# KiCad board rp2040_base.kicad_pcb
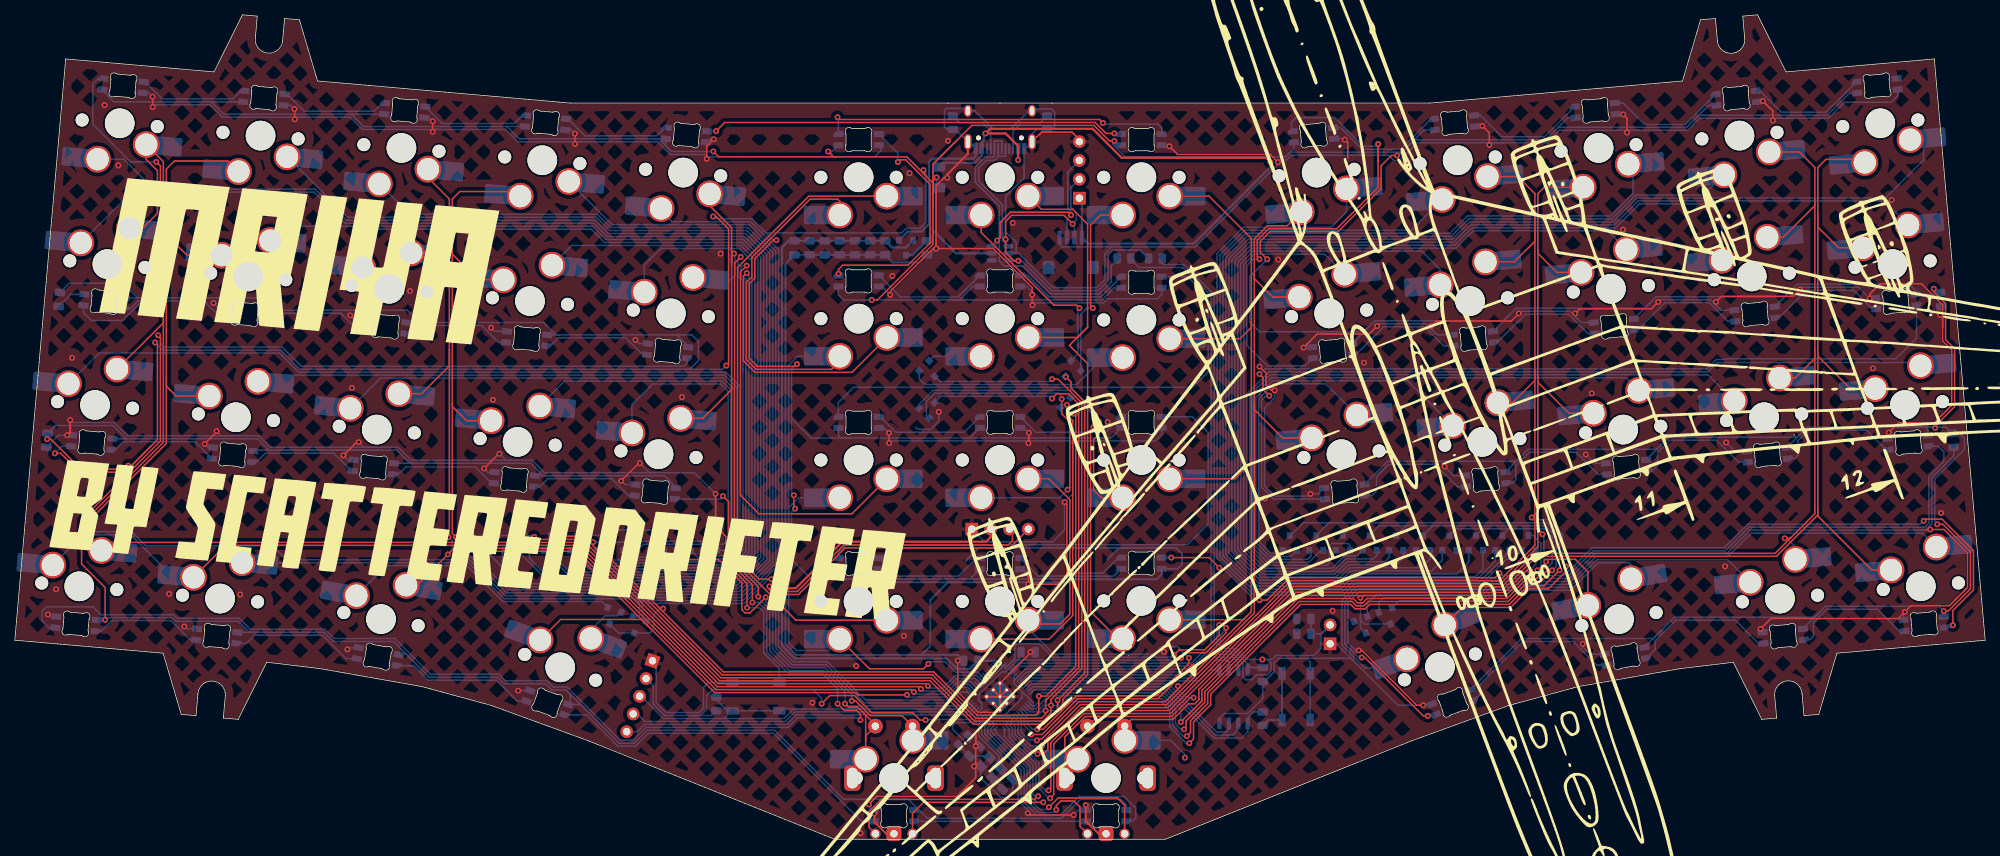
[diagram p0: board, top side]
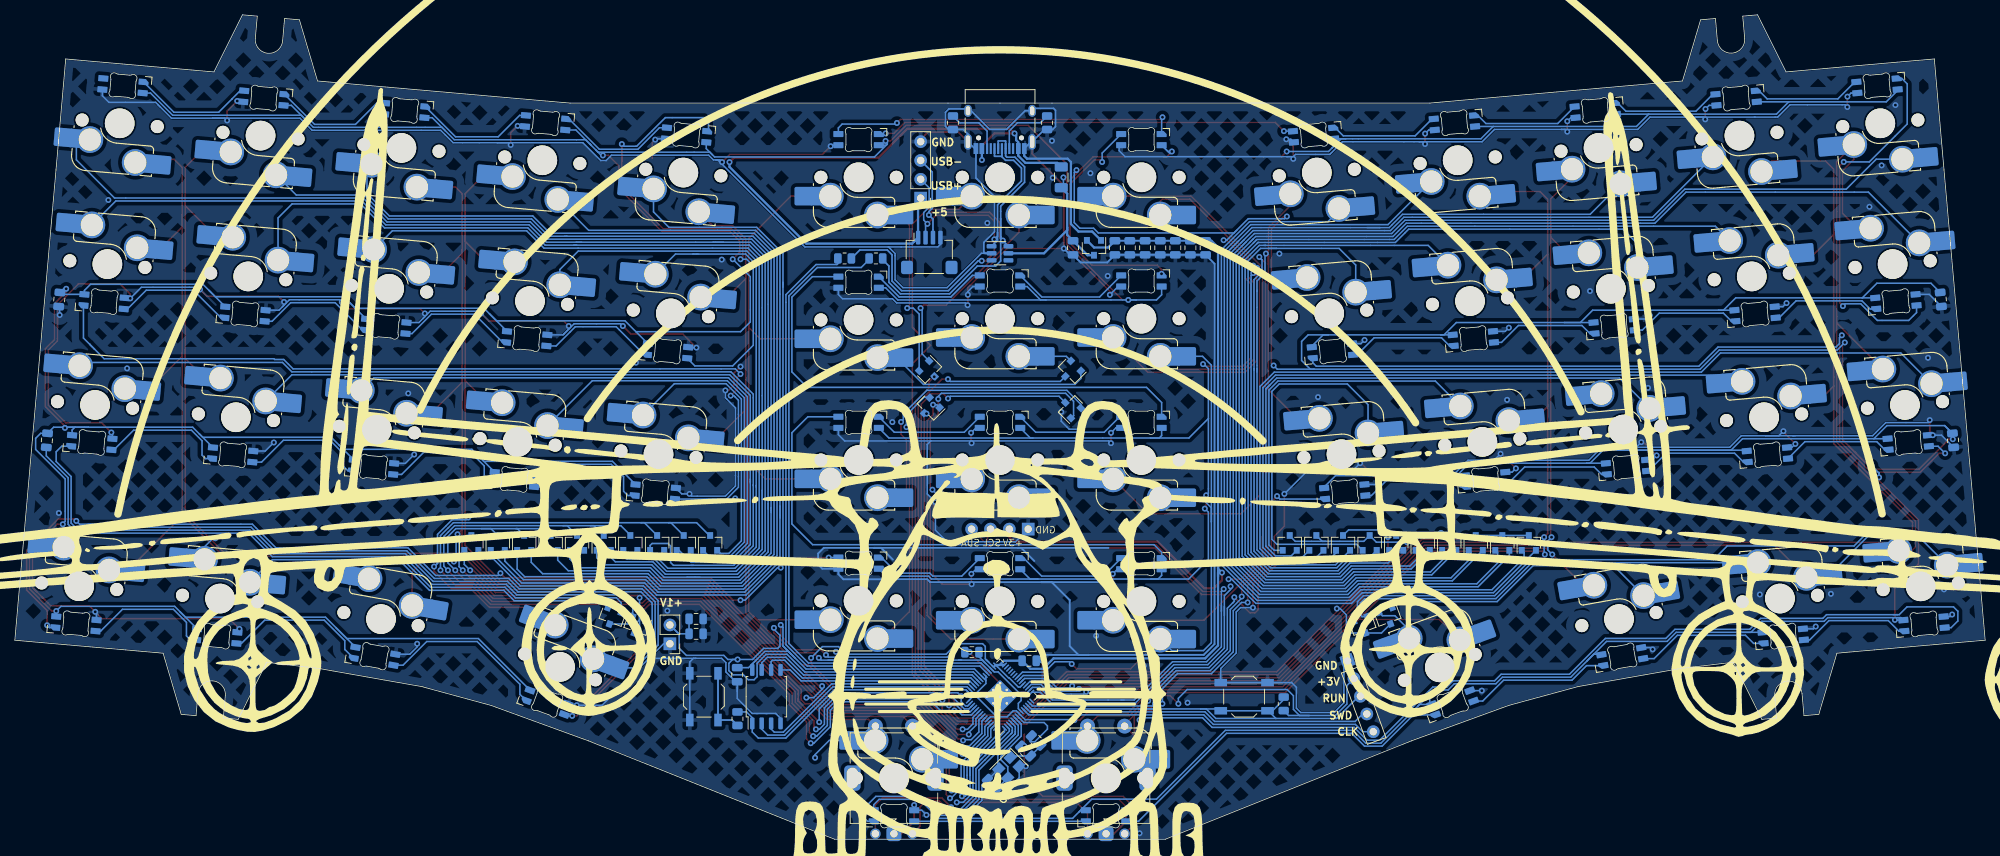
[diagram p1: board, bottom side, seen from below]

Outline 265.44 x 111.09 mm; copper layers: Top, Bottom. Coordinates in mm from the lower left corner of the outline.
Outline path: 0,26.82 2.22,52.25 3.44,66.19 6.85,105.14 26.83,103.4 30.66,111.09 32.65,110.92 32.39,107.93 arc(34.07,105.93) 36.08,107.61 36.34,110.6 38.33,110.42 40.77,102.18 74.8,99.2 190.63,99.2 224.66,102.18 227.1,110.42 229.1,110.6 229.36,107.61 arc(231.36,105.93) 233.04,107.93 232.78,110.92 234.78,111.09 238.61,103.4 258.58,105.14 264.13,41.76 265.44,26.82 245.46,25.07 243.02,16.83 241.03,16.65 240.77,19.64 arc(238.76,21.32) 237.08,19.32 237.34,16.33 235.35,16.16 231.52,23.85 224.39,23 210.6,20.57 201.28,18.04 188.12,13.25 155.01,0 110.43,0 77.31,13.25 64.16,18.04 54.83,20.57 41.05,23 33.92,23.85 30.09,16.16 28.09,16.33 28.35,19.32 arc(26.67,21.32) 24.67,19.64 24.41,16.65 22.41,16.83 19.97,25.07 0,26.82
Stack: Top 0.035mm / dielectric 1.51mm FR4 er 4.5 / Bottom 0.035mm

## Placement (name value [footprint] x y rotation side)
C1  10u  [C_0805_2012Metric]  122.88 79.7 270 bottom
C2  22pf  [C_0805_2012Metric]  133.75 7.4 45 bottom
C3  22pf  [C_0805_2012Metric]  129.27 11.88 45 bottom
C4  10u  [C_0805_2012Metric]  117.24 79.7 270 bottom
C5  100n  [C_0805_2012Metric]  168.12 22.17 270 bottom
C6  100n  [C_0805_2012Metric]  173.66 29.69 180 bottom
C7  100n  [C_0805_2012Metric]  173.66 27.68 180 bottom
C8  1u  [C_0805_2012Metric]  136.51 25.2 0 bottom
C9  100n  [C_0805_2012Metric]  105.02 79.7 270 bottom
C10  1u  [C_0805_2012Metric]  128.79 24.05 180 bottom
C11  100n  [C_0805_2012Metric]  107.07 79.7 270 bottom
C12  100n  [C_0805_2012Metric]  109.1 79.7 270 bottom
C13  100n  [C_0805_2012Metric]  111.13 79.7 270 bottom
C14  100n  [C_0805_2012Metric]  113.17 79.7 270 bottom
C15  100n  [C_0805_2012Metric]  4.33 53.75 265 bottom
C16  100n  [C_0805_2012Metric]  5.98 72.73 265 bottom
C17  10u  [C_0805_2012Metric]  115.23 79.7 270 bottom
C18  100n  [C_0805_2012Metric]  261.12 53.75 275 bottom
C19  100n  [C_0805_2012Metric]  259.45 72.73 275 bottom
D1  BAV70  [SOT-23]  68.63 39.93 90 bottom
D2  BAV70  [SOT-23]  65.05 39.93 90 bottom
D3  BAV70  [SOT-23]  61.48 39.93 90 bottom
D4  BAV70  [SOT-23]  142.23 63.08 225 bottom
D5  BAV70  [SOT-23]  200.38 39.93 90 bottom
D6  BAV70  [SOT-23]  196.82 39.93 90 bottom
D7  BAV70  [SOT-23]  193.26 39.93 90 bottom
D8  BAV70  [SOT-23]  72.2 39.93 90 bottom
D9  BAV70  [SOT-23]  75.77 39.93 90 bottom
D10  BAV70  [SOT-23]  79.34 39.93 90 bottom
D11  BAV70  [SOT-23]  123.21 63.08 315 bottom
D12  BAV70  [SOT-23]  182.52 39.93 90 bottom
D13  BAV70  [SOT-23]  186.1 39.93 90 bottom
D14  BAV70  [SOT-23]  189.7 39.93 90 bottom
D15  BAV70  [SOT-23]  90.1 39.93 90 bottom
D16  BAV70  [SOT-23]  93.69 39.93 90 bottom
D17  BAV70  [SOT-23]  82.92 39.93 90 bottom
D18  BAV70  [SOT-23]  123.21 58.13 45 bottom
D19  BAV70  [SOT-23]  171.77 39.93 90 bottom
D20  BAV70  [SOT-23]  175.33 39.93 90 bottom
D21  BAV70  [SOT-23]  178.91 39.93 90 bottom
D22  BAV70  [SOT-23]  83.81 28.73 250 bottom
D23  BAV70  [SOT-23]  80.44 29.96 250 bottom
D24  BAV70  [SOT-23]  86.51 39.93 90 bottom
D25  BAV70  [SOT-23]  142.23 58.13 315 bottom
D26  BAV70  [SOT-23]  203.94 39.93 90 bottom
D27  BAV70  [SOT-23]  184.99 29.94 290 bottom
D28  BAV70  [SOT-23]  181.65 28.73 290 bottom
F0  polyfuse  [Fuse_1206_3216Metric]  124.47 89.2 270 bottom
G***  -  [LOGO]  63.66 40.05 355 top
G***#2  -  [LOGO]  38.5 77.15 355 top
G***#3  -  [LOGO]  190.75 43.33 20 top
G***#4  -  [LOGO]  135.44 46.38 180.5 bottom
J0  USB_C_Receptacle_USB2.0  [USB_C_Receptacle_HRO_TYPE-C-31-M-12]  132.71 97.11 0 bottom
J1  BREAKOUT  [PinSocket_1x05_P2.54mm_Vertical]  85.9 24.04 160 bottom
J4  Breakout 1.1v  [PinHeader_1x02_P2.54mm_Vertical]  177.19 26.34 0 bottom
JST_connector2  Conn_01x04_Female  [Aio3_jst]  142.25 78.92 180 bottom
K1  KEYSW  [SW_MX_HS_1u_NOREF]  14.12 96.48 355 bottom
K2  KEYSW  [SW_MX_HS_1u_NOREF]  33.1 94.82 355 bottom
K3  KEYSW  [SW_MX_HS_1u_NOREF]  52.08 93.16 355 bottom
K4  KEYSW  [SW_MX_HS_1u_NOREF]  71.06 91.5 355 bottom
K5  KEYSW  [SW_MX_HS_1u_NOREF]  90.03 89.84 355 bottom
K6  KEYSW  [SW_MX_HS_1u_NOREF]  113.67 89.2 0 bottom
K7  KEYSW  [SW_MX_HS_1u_NOREF]  132.72 89.2 0 bottom
K8  KEYSW  [SW_MX_HS_1u_NOREF]  151.77 89.2 0 bottom
K9  KEYSW  [SW_MX_HS_1u_NOREF]  175.38 89.84 5 bottom
K10  KEYSW  [SW_MX_HS_1u_NOREF]  194.38 91.5 5 bottom
K11  KEYSW  [SW_MX_HS_1u_NOREF]  213.36 93.16 5 bottom
K12  KEYSW  [SW_MX_HS_1u_NOREF]  232.33 94.82 5 bottom
K13  KEYSW  [SW_MX_HS_1u_NOREF]  251.31 96.48 5 bottom
K14  KEYSW  [SW_MX_HS_1u_NOREF]  12.46 77.5 175 bottom
K15  KEYSW  [SW_MX_HS_1u_NOREF]  31.44 75.84 175 bottom
K16  KEYSW  [SW_MX_HS_1u_NOREF]  50.42 74.18 175 bottom
K17  KEYSW  [SW_MX_HS_1u_NOREF]  69.4 72.52 175 bottom
K18  KEYSW  [SW_MX_HS_1u_NOREF]  88.37 70.86 175 bottom
K19  KEYSW  [SW_MX_HS_1u_NOREF]  113.67 70.15 0 bottom
K20  KEYSW  [SW_MX_HS_1u_NOREF]  132.72 70.15 0 bottom
K21  KEYSW  [SW_MX_HS_1u_NOREF]  151.77 69.98 0 bottom
K22  KEYSW  [SW_MX_HS_1u_NOREF]  177.06 70.86 185 bottom
K23  KEYSW  [SW_MX_HS_1u_NOREF]  196.04 72.52 185 bottom
K24  KEYSW  [SW_MX_HS_1u_NOREF]  215.02 74.18 185 bottom
K25  KEYSW  [SW_MX_HS_1u_NOREF]  233.99 75.84 185 bottom
K26  KEYSW  [SW_MX_HS_1u_NOREF]  252.97 77.5 185 bottom
K27  KEYSW  [SW_MX_HS_1u_NOREF]  10.8 58.52 175 bottom
K28  KEYSW  [SW_MX_HS_1u_NOREF]  29.78 56.86 175 bottom
K29  KEYSW  [SW_MX_HS_1u_NOREF]  48.76 55.2 175 bottom
K30  KEYSW  [SW_MX_HS_1u_NOREF]  67.74 53.54 175 bottom
K31  KEYSW  [SW_MX_HS_1u_NOREF]  86.71 51.88 175 bottom
K32  KEYSW  [SW_MX_HS_1u_NOREF]  113.67 51.1 0 bottom
K33  KEYSW  [SW_MX_HS_1u_NOREF]  132.72 51.1 0 bottom
K34  KEYSW  [SW_MX_HS_1u_NOREF]  151.77 51.1 0 bottom
K35  KEYSW  [SW_MX_HS_1u_NOREF]  178.72 51.88 185 bottom
K36  KEYSW  [SW_MX_HS_1u_NOREF]  197.7 53.54 185 bottom
K37  KEYSW  [SW_MX_HS_1u_NOREF]  216.68 55.2 185 bottom
K38  KEYSW  [SW_MX_HS_1u_NOREF]  235.66 56.86 185 bottom
K39  KEYSW  [SW_MX_HS_1u_NOREF]  254.63 58.52 185 bottom
K40  KEYSW  [SW_MX_HS_1u_NOREF]  8.68 34.08 175 bottom
K41  KEYSW  [SW_MX_HS_1u_NOREF]  27.64 32.43 175 bottom
K42  KEYSW  [SW_MX_HS_1u_NOREF]  49.33 29.66 170 bottom
K43  KEYSW  [SW_MX_HS_1u_NOREF]  73.47 23.16 160 bottom
K44  KEYSW  [SW_MX_HS_1u_NOREF]  118.43 8.24 180 bottom
K45  KEYSW  [SW_MX_HS_1u_NOREF]  113.67 32.05 0 bottom
K46  KEYSW  [SW_MX_HS_1u_NOREF]  132.72 32.05 0 bottom
K47  KEYSW  [SW_MX_HS_1u_NOREF]  151.77 32.12 0 bottom
K48  KEYSW  [SW_MX_HS_1u_NOREF]  147.01 8.24 180 bottom
K49  KEYSW  [SW_MX_HS_1u_NOREF]  191.99 23.22 200 bottom
K50  KEYSW  [SW_MX_HS_1u_NOREF]  216.11 29.66 190 bottom
K51  KEYSW  [SW_MX_HS_1u_NOREF]  237.79 32.43 185 bottom
K52  KEYSW  [SW_MX_HS_1u_NOREF]  256.77 34.09 185 bottom
LED1  YS-SK6812MINI-E  [LED_MX_6028R]  14.57 101.54 355 bottom
LED2  YS-SK6812MINI-E  [LED_MX_6028R]  33.55 99.88 355 bottom
LED3  YS-SK6812MINI-E  [LED_MX_6028R]  52.52 98.22 355 bottom
LED4  YS-SK6812MINI-E  [LED_MX_6028R]  71.5 96.56 355 bottom
LED5  YS-SK6812MINI-E  [LED_MX_6028R]  90.48 94.9 355 bottom
LED6  YS-SK6812MINI-E  [LED_MX_6028R]  12.02 72.44 175 bottom
LED7  YS-SK6812MINI-E  [LED_MX_6028R]  31 70.78 175 bottom
LED8  YS-SK6812MINI-E  [LED_MX_6028R]  49.98 69.12 175 bottom
LED9  YS-SK6812MINI-E  [LED_MX_6028R]  68.95 67.46 175 bottom
LED10  YS-SK6812MINI-E  [LED_MX_6028R]  87.93 65.8 175 bottom
LED11  YS-SK6812MINI-E  [LED_MX_6028R]  10.36 53.46 175 bottom
LED12  YS-SK6812MINI-E  [LED_MX_6028R]  29.34 51.8 175 bottom
LED13  YS-SK6812MINI-E  [LED_MX_6028R]  48.32 50.14 175 bottom
LED14  YS-SK6812MINI-E  [LED_MX_6028R]  67.29 48.48 175 bottom
LED15  YS-SK6812MINI-E  [LED_MX_6028R]  86.27 46.82 175 bottom
LED16  YS-SK6812MINI-E  [LED_MX_6028R]  71.73 18.39 160 bottom
LED17  YS-SK6812MINI-E  [LED_MX_6028R]  48.89 24.6 170 bottom
LED18  YS-SK6812MINI-E  [LED_MX_6028R]  27.2 27.37 175 bottom
LED19  YS-SK6812MINI-E  [LED_MX_6028R]  8.24 29.02 175 bottom
LED20  YS-SK6812MINI-E  [LED_MX_6028R]  118.43 3.16 180 bottom
LED21  YS-SK6812MINI-E  [LED_MX_6028R]  113.67 94.28 0 bottom
LED23  YS-SK6812MINI-E  [LED_MX_6028R]  151.77 94.28 0 bottom
LED24  YS-SK6812MINI-E  [LED_MX_6028R]  113.67 75.23 0 bottom
LED25  YS-SK6812MINI-E  [LED_MX_6028R]  132.72 75.23 0 bottom
LED26  YS-SK6812MINI-E  [LED_MX_6028R]  151.77 75.06 0 bottom
LED27  YS-SK6812MINI-E  [LED_MX_6028R]  113.67 56.18 0 bottom
LED28  YS-SK6812MINI-E  [LED_MX_6028R]  132.72 56.18 0 bottom
LED29  YS-SK6812MINI-E  [LED_MX_6028R]  151.77 56.18 0 bottom
LED30  YS-SK6812MINI-E  [LED_MX_6028R]  113.67 37.13 0 bottom
LED31  YS-SK6812MINI-E  [LED_MX_6028R]  132.72 37.13 0 bottom
LED32  YS-SK6812MINI-E  [LED_MX_6028R]  151.77 37.2 0 bottom
LED33  YS-SK6812MINI-E  [LED_MX_6028R]  174.94 94.9 5 bottom
LED34  YS-SK6812MINI-E  [LED_MX_6028R]  177.5 65.8 185 bottom
LED35  YS-SK6812MINI-E  [LED_MX_6028R]  179.17 46.82 185 bottom
LED36  YS-SK6812MINI-E  [LED_MX_6028R]  147.01 3.16 180 bottom
LED37  YS-SK6812MINI-E  [LED_MX_6028R]  193.94 96.56 5 bottom
LED38  YS-SK6812MINI-E  [LED_MX_6028R]  196.48 67.46 185 bottom
LED39  YS-SK6812MINI-E  [LED_MX_6028R]  198.14 48.48 185 bottom
LED40  YS-SK6812MINI-E  [LED_MX_6028R]  193.73 18.45 200 bottom
LED41  YS-SK6812MINI-E  [LED_MX_6028R]  212.91 98.22 5 bottom
LED42  YS-SK6812MINI-E  [LED_MX_6028R]  215.46 69.12 185 bottom
LED43  YS-SK6812MINI-E  [LED_MX_6028R]  217.12 50.14 185 bottom
LED44  YS-SK6812MINI-E  [LED_MX_6028R]  216.99 24.66 190 bottom
LED45  YS-SK6812MINI-E  [LED_MX_6028R]  231.89 99.88 5 bottom
LED46  YS-SK6812MINI-E  [LED_MX_6028R]  234.44 70.78 185 bottom
LED47  YS-SK6812MINI-E  [LED_MX_6028R]  236.1 51.8 185 bottom
LED48  YS-SK6812MINI-E  [LED_MX_6028R]  238.24 27.37 185 bottom
LED49  YS-SK6812MINI-E  [LED_MX_6028R]  250.87 101.54 5 bottom
LED50  YS-SK6812MINI-E  [LED_MX_6028R]  253.41 72.44 185 bottom
LED51  YS-SK6812MINI-E  [LED_MX_6028R]  255.08 53.46 185 bottom
LED52  YS-SK6812MINI-E  [LED_MX_6028R]  257.21 29.03 185 bottom
pinout_cirque1  Conn_01x04_Female  [PinHeader_1x04_P2.54mm_Vertical]  128.92 41.79 90 top
R1  1k  [R_0805_2012Metric]  168.09 16.24 270 bottom
R3  27  [R_0805_2012Metric]  153.65 78.26 0 bottom
R4  27  [R_0805_2012Metric]  149.44 78.26 0 bottom
R5  1k  [R_0805_2012Metric]  127.85 13.3 225 bottom
R6  5.1k  [R_0805_2012Metric]  139.06 96.55 270 bottom
R7  5.1k  [R_0805_2012Metric]  126.37 96.55 270 bottom
R8  10k  [R_0805_2012Metric]  94.5 18.24 270 bottom
SW0  RESET  [SW_SPST_TL3342]  172.61 19.21 90 bottom
SW1  RotaryEncoder_Switch  [ROT_Alps_EC11E-Switch]  118.43 8.24 180 bottom
SW2  RESET  [SW_SPST_TL3342]  99.83 19.21 180 bottom
SW3  RotaryEncoder_Switch  [ROT_Alps_EC11E-Switch]  147.01 8.24 180 bottom
U2  W25Q128JVS  [SOIC-8_5.23x5.23mm_P1.27mm]  164.19 19.21 90 bottom
U3  RP2040  [RP2040-QFN-56]  132.71 19.21 135 bottom
U4  XC6206PxxxMR  [SOT-23]  120.06 79.7 270 bottom
U44  SRV05-4  [SOT-23-6]  132.72 78.96 180 bottom
USB_breakout1  Conn_01x04_Female  [PinHeader_1x04_P2.54mm_Vertical]  143.41 86.39 0 bottom
Y0  12MHZ Crystal  [Crystal_SMD_3225-4Pin_3.2x2.5mm]  131.51 9.64 315 bottom

## Library data of the parts
C1 C4 C17 = -: Description: Unpolarized capacitor; LCSC: C91245
C2 C3 = -: Description: Unpolarized capacitor; LCSC: C1804
C5-C7 C9 C11-C16 C18 C19 = -: Description: Unpolarized capacitor; LCSC: C49678
C8 C10 = -: Description: Unpolarized capacitor; LCSC: C28323
D1-D28 = -: Description: Dual 100V 215mA high-speed switching diodes, common cathode, SOT-23
F0 = -: Description: Resettable fuse, polymeric positive temperature coefficient, small symbol; LCSC: C69688
J0 = -: Description: USB 2.0-only Type-C Receptacle connector; LCSC: C165948
J1 = -: Description: Generic connector, single row, 01x05, script generated (kicad-library-utils/schlib/autogen/connector/)
J4 = -: Description: Generic connector, single row, 01x02, script generated (kicad-library-utils/schlib/autogen/connector/)
JST_connector2 pinout_cirque1 USB_breakout1 = -: Description: Generic connector, single row, 01x04, script generated (kicad-library-utils/schlib/autogen/connector/)
LED1-LED21 LED23-LED52 = -: Field6: 1
R1 R5 = -: Description: Resistor; LCSC: C115316
R3 R4 = -: Description: Resistor; LCSC: C104170
R6 R7 = -: Description: Resistor, small symbol; LCSC: C27834
R8 = -: Description: Resistor; LCSC: C115309
SW0 = -: LCSC: C2886894
SW1 SW3 = -: Description: Rotary encoder, dual channel, incremental quadrate outputs, with switch
SW2 = -: Description: Push button switch, generic, two pins; LCSC: C2886894
U2 = -: Description: 128Mb Serial Flash Memory, Standard/Dual/Quad SPI, SOIC-8; LCSC: C97521
U3 = -: LCSC: C2040
U4 = -: Description: Positive 60-250mA Low Dropout Regulator, Fixed Output, SOT-23; LCSC: C347376
U44 = -: Description: ESD Protection Diodes with Low Clamping Voltage, SOT-23-6; LCSC: C85364
Y0 = -: Description: Four pin crystal, GND on pins 2 and 4; LCSC: C9002

## Footprints (pads in the part's own frame, mm; a bottom-side part is the same pattern mirrored in y, then rotated)
Aio3_jst
  rrect 0.6x1.85 smd: 1(-1.5,2.15) 2(-0.5,2.15) 3(0.5,2.15) 4(1.5,2.15)
  rrect 1.6x1.8 smd: MP(-3,-1.875) MP(3,-1.875)
C_0805_2012Metric
  rrect 1x1.45 smd: 1(-0.95,0) 2(0.95,0)
Crystal_SMD_3225-4Pin_3.2x2.5mm
  rect 1.4x1.2 smd: 1(-1.1,-0.85) 2(1.1,-0.85) 3(1.1,0.85) 4(-1.1,0.85)
Fuse_1206_3216Metric
  rrect 1.25x1.75 smd: 1(-1.4,0) 2(1.4,0)
LED_MX_6028R
  rrect 1.35x0.82 smd: 1(2.725,0.75) 2(2.725,-0.75) 3(-2.725,0.75) 4(-2.725,-0.75)
PinHeader_1x02_P2.54mm_Vertical
  rect 1.7x1.7 hole 1: 1(0,0)
  oval 1.7x1.7 hole 1: 2(0,-2.54)
PinHeader_1x04_P2.54mm_Vertical
  rect 1.7x1.7 hole 1: 1(0,0)
  oval 1.7x1.7 hole 1: 2(0,-2.54) 3(0,-5.08) 4(0,-7.62)
PinSocket_1x05_P2.54mm_Vertical
  rect 1.7x1.7 hole 1: 1(0,0)
  oval 1.7x1.7 hole 1: 2(0,-2.54) 3(0,-5.08) 4(0,-7.62) 5(0,-10.16)
R_0805_2012Metric
  rrect 1.025x1.4 smd: 1(-0.912,0) 2(0.912,0)
ROT_Alps_EC11E-Switch
  round 1.4 hole 1: A(-2.5,-7.5) B(2.5,-7.5)
  rrect 2x2 hole 1: C(0,-7.5)
  rrect 2.2x3.4 hole 1.5x2.8: MP(-5.6,0) MP(5.6,0)
  round 2 hole 1: S1(2.5,7) S2(-2.5,7)
RP2040-QFN-56
  rrect 1.084x1.084 smd: (-0.637,-0.637) (-0.637,0.637) (0.637,-0.637) (0.637,0.637)
  rrect 0.875x0.2 smd: 1(-3.438,2.6) 2(-3.438,2.2) 3(-3.438,1.8) 4(-3.438,1.4) 5(-3.438,1) 6(-3.438,0.6) 7(-3.438,0.2) 8(-3.438,-0.2) 9(-3.438,-0.6) 10(-3.438,-1) 11(-3.438,-1.4) 12(-3.438,-1.8) 13(-3.438,-2.2) 14(-3.438,-2.6) 29(3.438,-2.6) 30(3.438,-2.2) 31(3.438,-1.8) 32(3.438,-1.4) 33(3.438,-1) 34(3.438,-0.6) 35(3.438,-0.2) 36(3.438,0.2) 37(3.438,0.6) 38(3.438,1) 39(3.438,1.4) 40(3.438,1.8) 41(3.438,2.2) 42(3.438,2.6)
  rrect 0.2x0.875 smd: 15(-2.6,-3.438) 16(-2.2,-3.438) 17(-1.8,-3.438) 18(-1.4,-3.438) 19(-1,-3.438) 20(-0.6,-3.438) 21(-0.2,-3.438) 22(0.2,-3.438) 23(0.6,-3.438) 24(1,-3.438) 25(1.4,-3.438) 26(1.8,-3.438) 27(2.2,-3.438) 28(2.6,-3.438) 43(2.6,3.438) 44(2.2,3.438) 45(1.8,3.438) 46(1.4,3.438) 47(1,3.438) 48(0.6,3.438) 49(0.2,3.438) 50(-0.2,3.438) 51(-0.6,3.438) 52(-1,3.438) 53(-1.4,3.438) 54(-1.8,3.438) 55(-2.2,3.438) 56(-2.6,3.438)
  round 0.6 hole 0.35: 57(-1.275,-1.275) 57(-1.275,0) 57(-1.275,1.275) 57(0,-1.275) 57(0,0) 57(0,1.275) 57(1.275,-1.275) 57(1.275,0) 57(1.275,1.275)
  rrect 3.2x3.2 smd: 57(0,0)
SOIC-8_5.23x5.23mm_P1.27mm
  rrect 1.6x0.6 smd: 1(-3.6,1.905) 2(-3.6,0.635) 3(-3.6,-0.635) 4(-3.6,-1.905) 5(3.6,-1.905) 6(3.6,-0.635) 7(3.6,0.635) 8(3.6,1.905)
SOT-23
  rect 0.9x0.8 smd: 1(-1,0.95) 2(-1,-0.95) 3(1,0)
SOT-23-6
  rrect 1.325x0.6 smd: 1(-1.137,0.95) 2(-1.137,0) 3(-1.137,-0.95) 4(1.137,-0.95) 5(1.137,0) 6(1.137,0.95)
SW_MX_HS_1u_NOREF
  round 1.75 hole 1.75 unplated: (-5.08,0) (5.08,0)
  round 3.988 hole 3.988 unplated: (0,0)
  round 3.6 hole 3: 1(3.81,2.54) 2(-2.54,5.08)
  rect 1.65x2.5 smd: 1(5.635,2.54) 2(-4.34,5.08)
  rrect 2.55x2.5 smd: 1(7.36,2.54) 2(-6.09,5.08)
SW_SPST_TL3342
  rect 1.7x1 smd: 1(-3.15,1.9) 1(3.15,1.9) 2(-3.15,-1.9) 2(3.15,-1.9)
USB_C_Receptacle_HRO_TYPE-C-31-M-12
  round 0.65 hole 0.65 unplated: (-2.89,2.6) (2.89,2.6)
  rect 0.6x1.45 smd: A1(-3.25,4.045) A4(-2.45,4.045) A9(2.45,4.045) A12(3.25,4.045) B1(3.25,4.045) B4(2.45,4.045) B9(-2.45,4.045) B12(-3.25,4.045)
  rect 0.3x1.45 smd: A5(-1.25,4.045) A6(-0.25,4.045) A7(0.25,4.045) A8(1.25,4.045) B5(1.75,4.045) B6(0.75,4.045) B7(-0.75,4.045) B8(-1.75,4.045)
  oval 1x1.6 hole 0.6x1.2: S1(-4.32,-1.05) S1(4.32,-1.05)
  oval 1x2.1 hole 0.6x1.7: S1(-4.32,3.13) S1(4.32,3.13)

## Nets
+1V1: C6.1 C7.1 C8.1 J4.2 U3.23 U3.45 U3.50
+3V3: C4.1 C5.1 C9.1 C10.1 C11.1 C12.1 C13.1 C14.1 C17.1 J1.2 pinout_cirque1.2 R8.2 U2.8 U3.1 U3.10 U3.22 U3.33 U3.42 U3.43 U3.44 U3.48 U3.49 U4.2
+5V: C1.1 C15.1 C16.1 C18.1 C19.1 F0.2 LED1.3 LED2.3 LED3.3 LED4.3 LED5.3 LED6.3 LED7.3 LED8.3 LED9.3 LED10.3 LED11.3 LED12.3 LED13.3 LED14.3 LED15.3 LED16.3 LED17.3 LED18.3 LED19.3 LED20.3 LED21.3 LED23.3 LED24.3 LED25.3 LED26.3 LED27.3 LED28.3 LED29.3 LED30.3 LED31.3 LED32.3 LED33.3 LED34.3 LED35.3 LED36.3 LED37.3 LED38.3 LED39.3 LED40.3 LED41.3 LED42.3 LED43.3 LED44.3 LED45.3 LED46.3 LED47.3 LED48.3 LED49.3 LED50.3 LED51.3 LED52.3 U4.3 U44.5
GND: C1.2 C2.2 C3.2 C4.2 C5.2 C6.2 C7.2 C8.2 C9.2 C10.2 C11.2 C12.2 C13.2 C14.2 C15.2 C16.2 C17.2 C18.2 C19.2 J0.A1 J0.A12 J0.B1 J0.B12 J0.S1 J1.1 J4.1 JST_connector2.4 LED1.1 LED2.1 LED3.1 LED4.1 LED5.1 LED6.1 LED7.1 LED8.1 LED9.1 LED10.1 LED11.1 LED12.1 LED13.1 LED14.1 LED15.1 LED16.1 LED17.1 LED18.1 LED19.1 LED20.1 LED21.1 LED23.1 LED24.1 LED25.1 LED26.1 LED27.1 LED28.1 LED29.1 LED30.1 LED31.1 LED32.1 LED33.1 LED34.1 LED35.1 LED36.1 LED37.1 LED38.1 LED39.1 LED40.1 LED41.1 LED42.1 LED43.1 LED44.1 LED45.1 LED46.1 LED47.1 LED48.1 LED49.1 LED50.1 LED51.1 LED52.1 pinout_cirque1.1 R6.2 R7.2 SW0.1 SW1.C SW2.1 SW3.C U2.4 U3.19 U3.57 U4.1 U44.2 USB_breakout1.4 Y0.2 Y0.4
VBUS: F0.1 J0.A4 J0.A9 J0.B4 J0.B9 JST_connector2.1 USB_breakout1.1
/GPIO26_ADC0: U3.38
/GPIO27_ADC1: U3.39
/GPIO28_ADC2: U3.40
/GPIO29_ADC3: U3.41
/QSPI_SCLK: U2.6 U3.52
/QSPI_SD0: U2.5 U3.53
/QSPI_SD1: U2.2 U3.55
/QSPI_SD2: U2.3 U3.54
/QSPI_SD3: U2.7 U3.51
/QSPI_SS: R1.1 U2.1 U3.56
/RUN: J1.3 R8.1 SW2.2 U3.26
/SWCLK: J1.5 U3.24
/SWD: J1.4 U3.25
/USB_D+: J0.A6 J0.B6 JST_connector2.2 R3.1 U44.1 USB_breakout1.2
/USB_D-: J0.A7 J0.B7 JST_connector2.3 R4.1 U44.6 USB_breakout1.3
/XIN: C2.1 U3.20 Y0.3
/XOUT: R5.1 U3.21
/~{USB_BOOT}: R1.2 SW0.2
COL0: K1.1 K14.2 K27.2 K40.2 U3.35
COL1: K2.2 K15.1 K28.1 K41.1 U3.34
COL2: K3.1 K16.2 K29.2 K42.2 U3.32
COL3: K4.2 K17.1 K30.1 K43.1 U3.31
COL4: K5.1 K18.2 K31.2 K44.1 SW1.S1 U3.27
COL5: K6.2 K19.2 K32.2 K45.2 U3.36
COL6: K7.1 K20.1 K33.1 K46.1 U3.6
COL7: K8.1 K21.1 K34.1 K47.1 U3.7
COL8: K9.2 K22.1 K35.1 K48.1 SW3.S1 U3.8
COL9: K10.1 K23.2 K36.2 K49.2 U3.9
COL10: K11.2 K24.1 K37.1 K50.1 U3.11
COL11: K12.1 K25.2 K38.2 K51.2 U3.12
COL12: K13.2 K26.1 K39.1 K52.1 U3.13
LED_BACKLIGHT: LED36.4 U3.18
LED_LEFT_OUT: LED5.2 LED23.4
LED_MIDDLE_OUT: LED32.2 LED52.4
rot_1_l: SW3.A U3.16
rot_1_r: SW3.B U3.17
rot_2_l: SW1.A U3.15
rot_2_r: SW1.B U3.14
ROW0: D1.3 D2.3 D3.3 D4.3 D5.3 D6.3 D7.3 U3.3
ROW1: D8.3 D9.3 D10.3 D11.3 D12.3 D13.3 D14.3 U3.4
ROW2: D15.3 D16.3 D17.3 D18.3 D19.3 D20.3 D21.3 U3.5
ROW3: D22.3 D23.3 D24.3 D25.3 D26.3 D27.3 D28.3 U3.2
SCL: pinout_cirque1.3 U3.30
SDA: pinout_cirque1.4 U3.29
Net-(C3-Pad1): C3.1 R5.2 Y0.1
Net-(D1-A-Pad1): D1.1 K1.2
Net-(D1-A-Pad2): D1.2 K2.1
Net-(D2-A-Pad1): D2.1 K3.2
Net-(D2-A-Pad2): D2.2 K4.1
Net-(D3-A-Pad1): D3.1 K5.2
Net-(D3-A-Pad2): D3.2 K6.1
Net-(D4-A-Pad1): D4.1 K7.2
Net-(D4-A-Pad2): D4.2 K8.2
Net-(D5-A-Pad1): D5.1 K9.1
Net-(D5-A-Pad2): D5.2 K10.2
Net-(D6-A-Pad1): D6.1 K11.1
Net-(D6-A-Pad2): D6.2 K12.2
Net-(D7-A-Pad2): D7.2 K13.1
Net-(D8-A-Pad1): D8.1 K15.2
Net-(D8-A-Pad2): D8.2 K14.1
Net-(D9-A-Pad1): D9.1 K17.2
Net-(D9-A-Pad2): D9.2 K16.1
Net-(D10-A-Pad1): D10.1 K19.1
Net-(D10-A-Pad2): D10.2 K18.1
Net-(D11-A-Pad1): D11.1 K21.2
Net-(D11-A-Pad2): D11.2 K20.2
Net-(D12-A-Pad1): D12.1 K23.1
Net-(D12-A-Pad2): D12.2 K22.2
Net-(D13-A-Pad1): D13.1 K25.1
Net-(D13-A-Pad2): D13.2 K24.2
Net-(D14-A-Pad1): D14.1 K26.2
Net-(D15-A-Pad1): D15.1 K28.2
Net-(D15-A-Pad2): D15.2 K27.1
Net-(D16-A-Pad1): D16.1 K30.2
Net-(D16-A-Pad2): D16.2 K29.1
Net-(D17-A-Pad1): D17.1 K31.1
Net-(D17-A-Pad2): D17.2 K32.1
Net-(D18-A-Pad1): D18.1 K33.2
Net-(D18-A-Pad2): D18.2 K34.2
Net-(D19-A-Pad1): D19.1 K36.1
Net-(D19-A-Pad2): D19.2 K35.2
Net-(D20-A-Pad1): D20.1 K38.1
Net-(D20-A-Pad2): D20.2 K37.2
Net-(D21-A-Pad1): D21.1 K39.2
Net-(D22-A-Pad1): D22.1 K41.2
Net-(D22-A-Pad2): D22.2 K40.1
Net-(D23-A-Pad1): D23.1 K42.1
Net-(D23-A-Pad2): D23.2 K43.2
Net-(D24-A-Pad1): D24.1 K44.2 SW1.S2
Net-(D24-A-Pad2): D24.2 K45.1
Net-(D25-A-Pad1): D25.1 K46.2
Net-(D25-A-Pad2): D25.2 K47.2
Net-(D26-A-Pad1): D26.1 K48.2 SW3.S2
Net-(D26-A-Pad2): D26.2 K49.1
Net-(D27-A-Pad1): D27.1 K51.1
Net-(D27-A-Pad2): D27.2 K50.2
Net-(D28-A-Pad2): D28.2 K52.2
Net-(J0-CC1): J0.A5 R7.1
Net-(J0-CC2): J0.B5 R6.1
Net-(LED1-DIN): LED1.4 LED6.2
Net-(LED1-DOUT): LED1.2 LED2.4
Net-(LED2-DOUT): LED2.2 LED3.4
Net-(LED3-DOUT): LED3.2 LED4.4
Net-(LED4-DOUT): LED4.2 LED5.4
Net-(LED6-DIN): LED6.4 LED7.2
Net-(LED7-DIN): LED7.4 LED8.2
Net-(LED8-DIN): LED8.4 LED9.2
Net-(LED10-DIN): LED10.4 LED11.2
Net-(LED10-DOUT): LED9.4 LED10.2
Net-(LED11-DIN): LED11.4 LED12.2
Net-(LED12-DIN): LED12.4 LED13.2
Net-(LED13-DIN): LED13.4 LED14.2
Net-(LED14-DIN): LED14.4 LED15.2
Net-(LED15-DIN): LED15.4 LED19.2
Net-(LED16-DIN): LED16.4 LED20.2
Net-(LED16-DOUT): LED16.2 LED17.4
Net-(LED17-DOUT): LED17.2 LED18.4
Net-(LED18-DOUT): LED18.2 LED19.4
Net-(LED20-DIN): LED20.4 LED36.2
Net-(LED21-DIN): LED21.4 LED23.2
Net-(LED21-DOUT): LED21.2 LED24.4
Net-(LED24-DOUT): LED24.2 LED25.4
Net-(LED25-DOUT): LED25.2 LED26.4
Net-(LED26-DOUT): LED26.2 LED27.4
Net-(LED27-DOUT): LED27.2 LED28.4
Net-(LED28-DOUT): LED28.2 LED29.4
Net-(LED29-DOUT): LED29.2 LED30.4
Net-(LED30-DOUT): LED30.2 LED31.4
Net-(LED31-DOUT): LED31.2 LED32.4
Net-(LED33-DIN): LED33.4 LED34.2
Net-(LED33-DOUT): LED33.2 LED37.4
Net-(LED34-DIN): LED34.4 LED38.2
Net-(LED35-DIN): LED35.4 LED39.2
Net-(LED35-DOUT): LED35.2 LED50.4
Net-(LED37-DOUT): LED37.2 LED41.4
Net-(LED38-DIN): LED38.4 LED42.2
Net-(LED39-DIN): LED39.4 LED43.2
Net-(LED40-DIN): LED40.4 LED44.2
Net-(LED40-DOUT): LED40.2 LED51.4
Net-(LED41-DOUT): LED41.2 LED45.4